# KiCad board JumperlessArduino.kicad_pcb
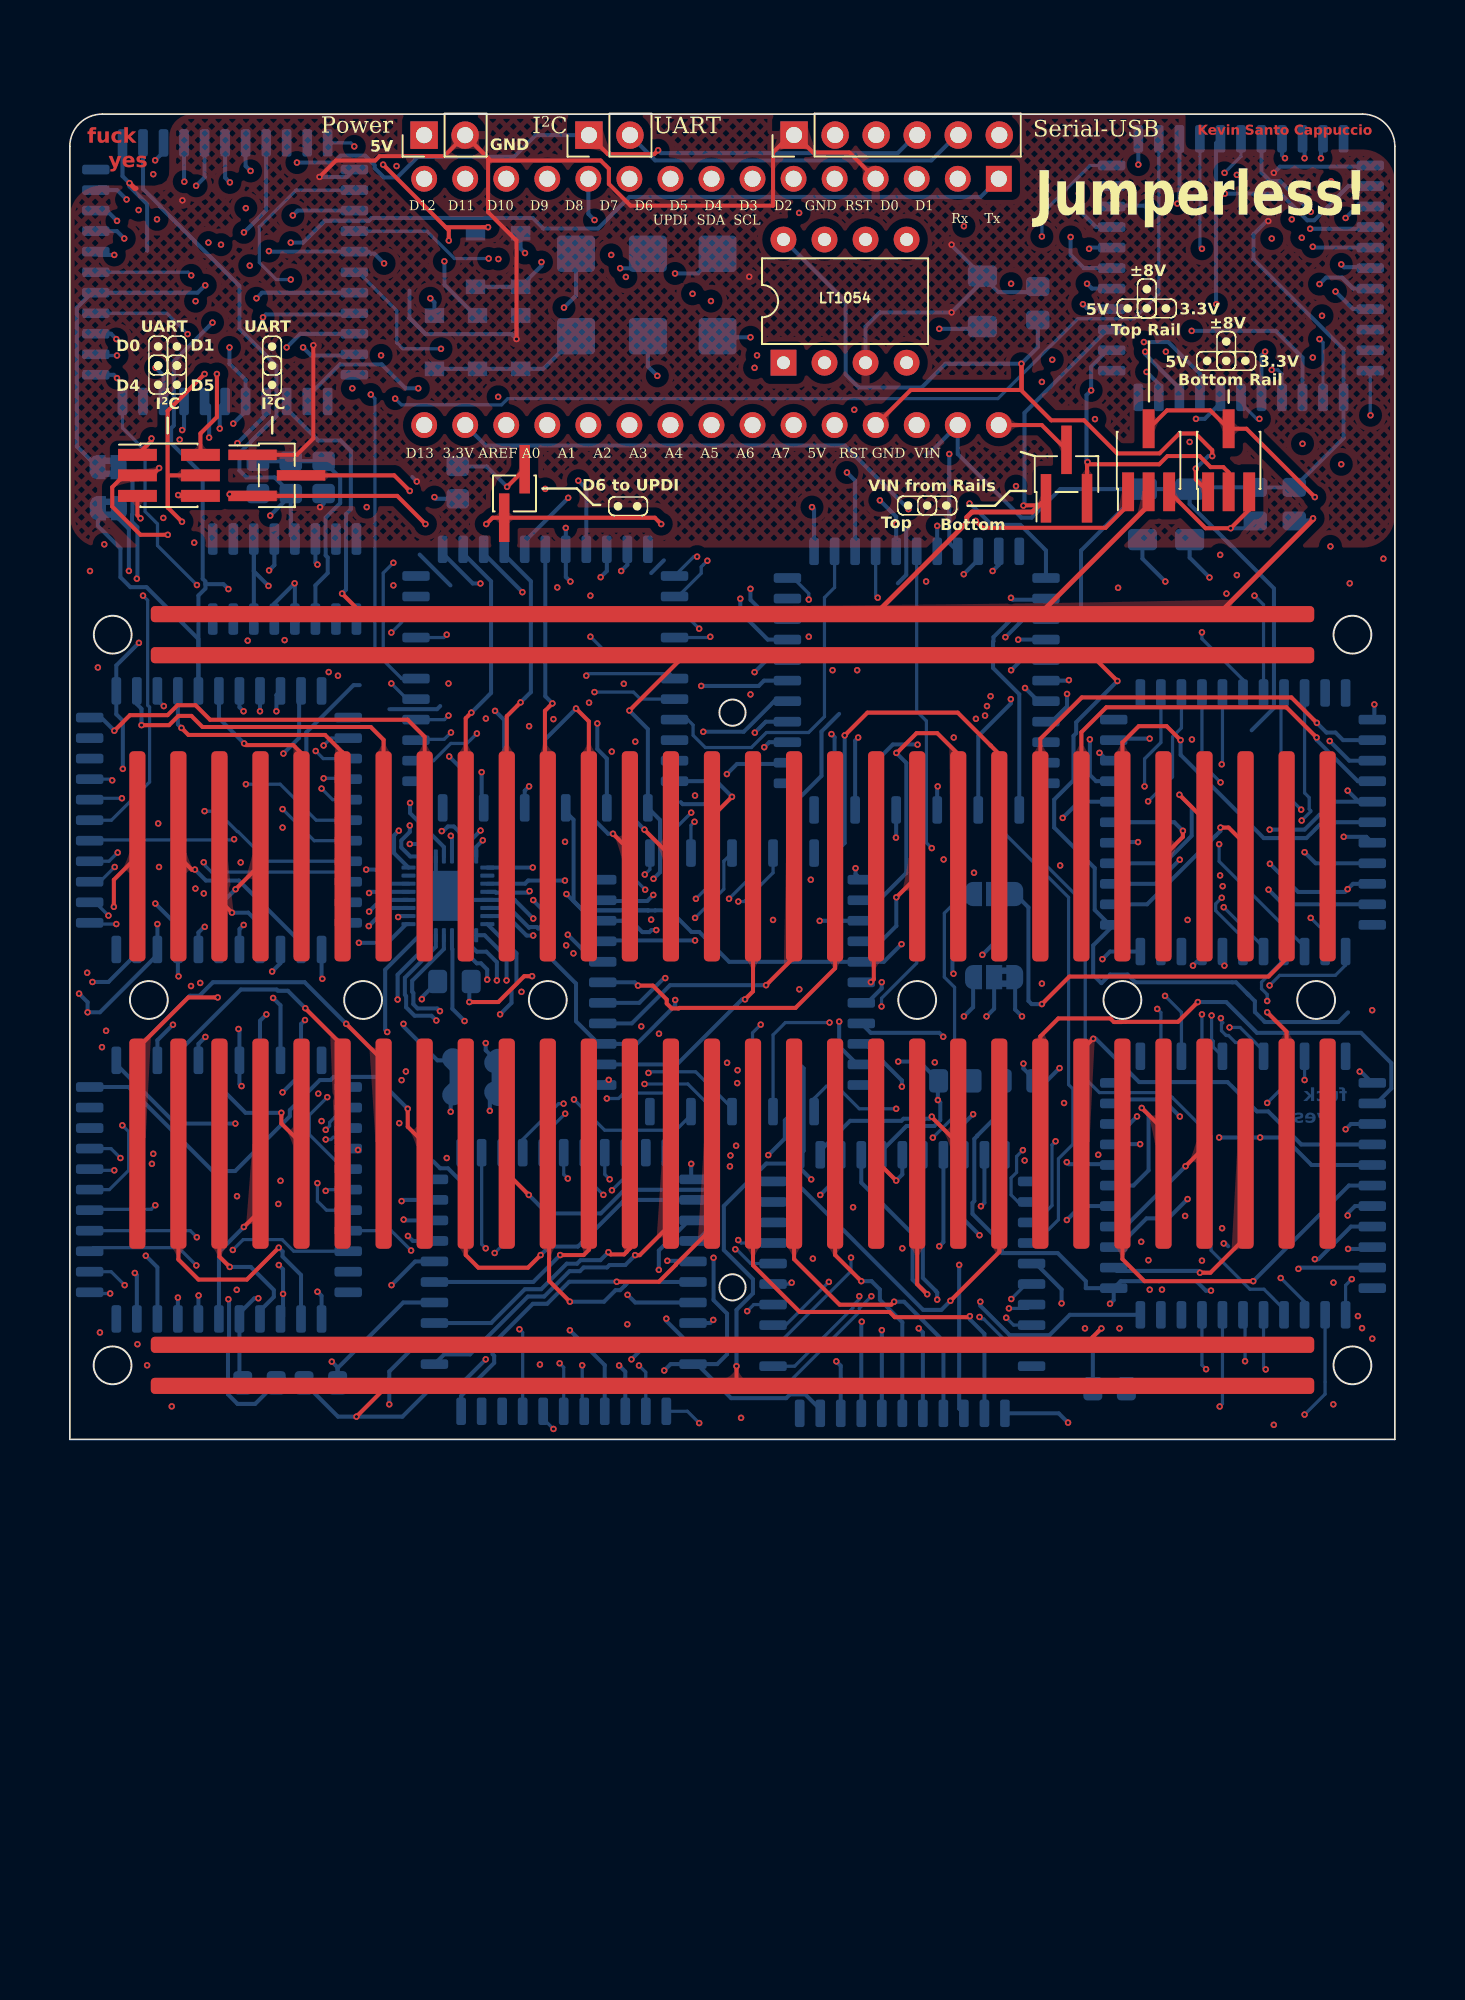
[diagram p0: board, top side]
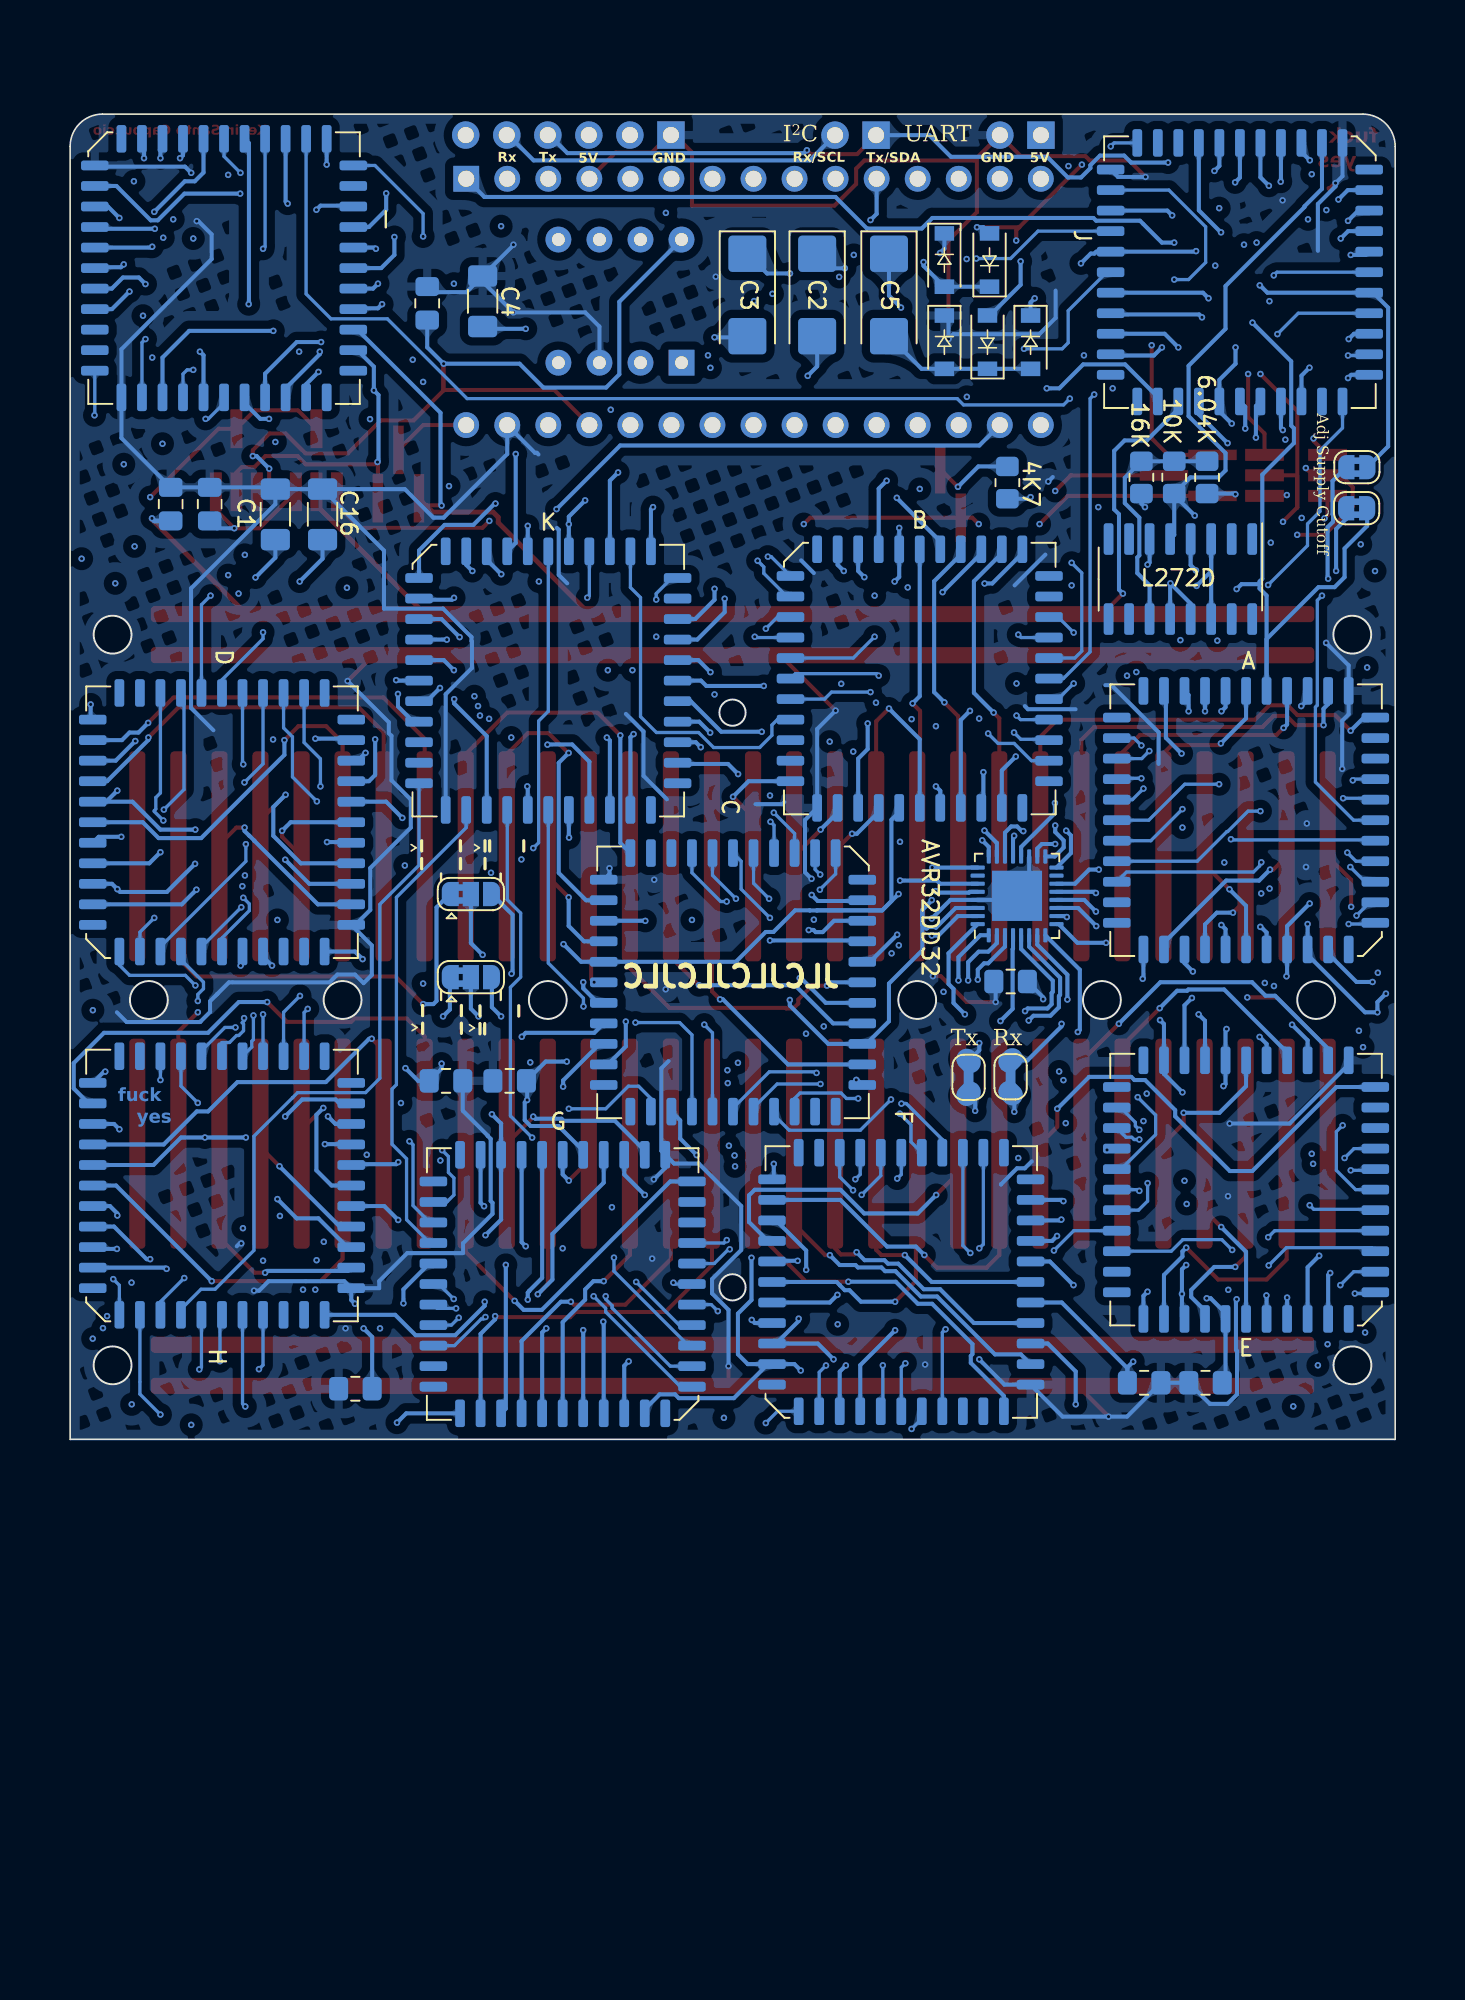
[diagram p1: board, bottom side, seen from below]

Outline 82 x 82 mm; copper layers: Top, In1.Cu, In2.Cu, Bottom. Coordinates in mm from the lower left corner of the outline.
Outline path: 0,80 arc(0.59,81.41) 2,82 80,82 arc(81.41,81.41) 82,80 82,0 0,0 0,80
Stack: Top 0.035mm / dielectric 0.1mm FR4 er 4.5 / In1.Cu 0.035mm / dielectric 1.24mm FR4 er 4.5 / In2.Cu 0.035mm / dielectric 0.1mm FR4 er 4.5 / Bottom 0.035mm

## Placement (name value [footprint] x y rotation side)
A  MT8816AP  [PLCC-44_16.6x16.6mm_P1.27mm]  9.23 38.31 0 bottom
A1  Arduino_Nano_v3.x  [Arduino_Nano]  57.49 78 270 top
B  MT8816AP  [PLCC-44_16.6x16.6mm_P1.27mm]  29.42 47.07 180 bottom
C  MT8816AP  [PLCC-44_16.6x16.6mm_P1.27mm]  40.98 28.28 270 bottom
C1  100uF  [C_1206_3216Metric_Pad1.33x1.80mm_HandSolder]  69.3 57.23 90 bottom
C2  10uF  [CP_EIA-6032-20_AVX-F_Pad2.25x2.35mm_HandSolder]  35.77 70.81 270 bottom
C3  10uF  [CP_EIA-6032-20_AVX-F_Pad2.25x2.35mm_HandSolder]  40.09 70.81 270 bottom
C4  100uF  [C_1206_3216Metric_Pad1.33x1.80mm_HandSolder]  56.47 70.42 270 bottom
C5  10uF  [CP_EIA-6032-20_AVX-F_Pad2.25x2.35mm_HandSolder]  31.33 70.81 270 bottom
C6  10uF  [C_0805_2012Metric_Pad1.18x1.45mm_HandSolder]  58.74 22.18 180 bottom
C7  10uF  [C_0805_2012Metric_Pad1.18x1.45mm_HandSolder]  11.74 3.5 0 bottom
C8  10uF  [C_0805_2012Metric_Pad1.18x1.45mm_HandSolder]  75.78 57.87 270 bottom
C9  10uF  [C_0805_2012Metric_Pad1.18x1.45mm_HandSolder]  64.35 3.13 180 bottom
C13  10uF  [C_0805_2012Metric_Pad1.18x1.45mm_HandSolder]  73.36 57.87 90 bottom
C14  10uF  [C_0805_2012Metric_Pad1.18x1.45mm_HandSolder]  59.9 70.29 90 bottom
C15  10uF  [C_0805_2012Metric_Pad1.18x1.45mm_HandSolder]  23.8 28.33 0 bottom
C16  100uF  [C_1206_3216Metric_Pad1.33x1.80mm_HandSolder]  66.38 57.23 270 bottom
C17  10uF  [C_0805_2012Metric_Pad1.18x1.45mm_HandSolder]  54.8 22.18 180 bottom
C18  10uF  [C_0805_2012Metric_Pad1.18x1.45mm_HandSolder]  15.54 3.5 0 bottom
D  MT8816AP  [PLCC-44_16.6x16.6mm_P1.27mm]  72.6 38.19 90 bottom
D1  1N4001  [D_SOD-123_1]  27.9 72.97 270 bottom
D2  1N4001  [D_SOD-123_1]  25.1 72.97 90 bottom
D3  1N4001  [D_SOD-123_1]  22.56 67.89 270 bottom
D4  1N4001  [D_SOD-123_1]  25.23 67.89 90 bottom
D5  1N4001  [D_SOD-123_1]  27.9 67.89 270 bottom
E  MT8816AP  [PLCC-44_16.6x16.6mm_P1.27mm]  9.23 15.45 0 bottom
F  MT8816AP  [PLCC-44_16.6x16.6mm_P1.27mm]  30.56 9.74 90 bottom
G  MT8816AP  [PLCC-44_16.6x16.6mm_P1.27mm]  51.52 9.61 0 bottom
H  MT8816AP  [PLCC-44_16.6x16.6mm_P1.27mm]  72.6 15.71 90 bottom
I  MT8816AP  [PLCC-44_16.6x16.6mm_P1.27mm]  72.47 72.47 180 bottom
J  MT8816AP  [PLCC-44_16.6x16.6mm_P1.27mm]  9.61 72.22 270 bottom
J1  Tx_Rx  [PinHeader_1x02_P2.54mm_Vertical]  32.12 80.7 90 top
J2  Conn_01x02  [PinHeader_1x02_P2.54mm_Vertical]  21.92 80.7 90 top
J5  Breadboard  [BreadBoard]  41.01 27.19 0 top
J6  Conn_01x06_Pin  [PinHeader_2x03_P1.27mm_Vertical_SMD]  6.14 59.65 0 top
J7  Conn_01x06_Pin  [PinHeader_1x06_P2.54mm_Vertical]  44.82 80.7 90 top
JP1  VIN_FROM_RAILS  [PinHeader_1x03_P1.27mm_Vertical_SMD_Pin1Left]  61.68 59.73 90 top
JP2  DAC_PWR+  [SolderJumper-2_P1.3mm_Bridged2Bar_RoundedPad1.0x1.5mm]  2.37 60.16 0 bottom
JP3  DAC_PWR-  [SolderJumper-2_P1.3mm_Bridged2Bar_RoundedPad1.0x1.5mm]  2.39 57.62 180 bottom
JP4  I2C_UART  [PinHeader_1x03_P1.27mm_Vertical_SMD_Pin1Left]  12.81 59.65 0 top
JP5  TOP_RAIL_VOLTAGE  [PinHeader_2x03_P1.27mm_Vertical_SMD_1]  66.76 60.58 90 top
JP6  BOTTOM_RAIL_VOLTAGE  [PinHeader_2x03_P1.27mm_Vertical_SMD_1]  71.71 60.58 90 top
JP7  SolderJumper_3_Bridged12  [SolderJumper-3_P1.3mm_Bridged2Bar12_RoundedPad1.0x1.5mm]  57.2 33.74 180 bottom
JP8  Jumper_2_Bridged  [SolderJumper-2_P1.3mm_Bridged_RoundedPad1.0x1.5mm_1#2]  26.4 22.4 270 bottom
JP9  UPDI_NANO  [PinHeader_1x02_P1.27mm_Vertical_SMD_Pin1Left]  27.52 58.53 270 top
JP10  Jumper_2_Bridged  [SolderJumper-2_P1.3mm_Bridged_RoundedPad1.0x1.5mm_1]  23.8 22.43 90 bottom
JP11  SolderJumper_3_Bridged12  [SolderJumper-3_P1.3mm_Bridged2Bar12_RoundedPad1.0x1.5mm]  57.2 28.6 180 bottom
K  MT8816AP  [PLCC-44_16.6x16.6mm_P1.27mm]  52.41 46.95 180 bottom
R1  4K7  [R_0805_2012Metric_Pad1.20x1.40mm_HandSolder]  24 59.2 90 bottom
R2  16K  [R_0805_2012Metric_Pad1.20x1.40mm_HandSolder]  15.71 59.52 90 bottom
R3  10K  [R_0805_2012Metric_Pad1.20x1.40mm_HandSolder]  13.67 59.52 270 bottom
R4  6.04K  [R_0805_2012Metric_Pad1.20x1.40mm_HandSolder]  11.64 59.52 90 bottom
REF**  -  [DisconJumperLabel_2]  59.09 34.86 0 top
REF**#2  -  [DisconJumperLabel]  59.03 24.67 0 top
REF**#3  -  [DisconJumperLabel_1]  55.48 24.65 0 top
REF**#4  -  [DisconJumperLabel_1_1]  55.17 34.86 0 top
U1  L272D  [SOIC-16_3.9x9.9mm_P1.27mm]  13.29 53.23 270 bottom
U2  AVR32DB32x-xRXB  [QFN-32-1EP_5x5mm_P0.5mm_EP3.1x3.1mm]  23.4 33.63 90 bottom
U3  LT1054xSW  [DIP-8_W7.62mm]  44.16 66.62 90 top

## Library data of the parts
A1 = -: Description: Arduino Nano v3.x
D1-D5 = -: Description: 50V 1A General Purpose Rectifier Diode, DO-41
J1 J2 = -: Description: Generic connector, single row, 01x02, script generated (kicad-library-utils/schlib/autogen/connector/)
J6 = -: Description: Generic connector, single row, 01x06, script generated
J7 = -: Description: Generic connector, single row, 01x06, script generated; Field4: GND; Field5: Rx; Field6: Tx; Field7: 5V
JP1 JP4-JP6 = -: Description: Jumper, 3-pole, pins 1+2 closed/bridged
JP2 JP3 JP8 JP10 = -: Description: Jumper, 2-pole, closed/bridged
JP7 JP11 = -: Description: 3-pole Solder Jumper, pins 1+2 closed/bridged
JP9 = -: Description: Jumper, 2-pole, open
R1 = -: Description: Resistor, small US symbol
U1 = -: Description: Dual Power Operation Amplifier, SOIC-16
U2 = -: Description: 24MHz, 32kB Flash, 4kB SRAM, EEPROM with Op Amps and Multi-Voltage I/O, VQFN-32
U3 = -: Description: Switched-Capacitor Voltage Converter with Regulator, output current 125mA, operating range 3.5V to 15V, low loss 1.1V at 100mA, DIP-8/SO-8

## Footprints (pads in the part's own frame, mm; a bottom-side part is the same pattern mirrored in y, then rotated)
Arduino_Nano
  rect 1.6x1.6 hole 1: 1(0,0)
  oval 1.6x1.6 hole 1: 2(0,-2.54) 3(0,-5.08) 4(0,-7.62) 5(0,-10.16) 6(0,-12.7) 7(0,-15.24) 8(0,-17.78) 9(0,-20.32) 10(0,-22.86) 11(0,-25.4) 12(0,-27.94) 13(0,-30.48) 14(0,-33.02) 15(0,-35.56) 16(15.24,-35.56) 17(15.24,-33.02) 18(15.24,-30.48) 19(15.24,-27.94) 20(15.24,-25.4) 21(15.24,-22.86) 22(15.24,-20.32) 23(15.24,-17.78) 24(15.24,-15.24) 25(15.24,-12.7) 26(15.24,-10.16) 27(15.24,-7.62) 28(15.24,-5.08) 29(15.24,-2.54) 30(15.24,0)
BreadBoard
  rrect 72x1 smd: 0(0,21.336) 31(0,23.876) 32(0,-23.876) 63(0,-21.336)
  rrect 1x13 smd: 1(-36.83,8.89) 2(-34.29,8.89) 3(-31.75,8.89) 4(-29.21,8.89) 5(-26.67,8.89) 6(-24.13,8.89) 7(-21.59,8.89) 8(-19.05,8.89) 9(-16.51,8.89) 10(-13.97,8.89) 11(-11.43,8.89) 12(-8.89,8.89) 13(-6.35,8.89) 14(-3.81,8.89) 15(-1.27,8.89) 16(1.27,8.89) 17(3.81,8.89) 18(6.35,8.89) 19(8.89,8.89) 20(11.43,8.89) 21(13.97,8.89) 22(16.51,8.89) 23(19.05,8.89) 24(21.59,8.89) 25(24.13,8.89) 26(26.67,8.89) 27(29.21,8.89) 28(31.75,8.89) 29(34.29,8.89) 30(36.83,8.89) 33(-36.83,-8.89) 34(-34.29,-8.89) 35(-31.75,-8.89) 36(-29.21,-8.89) 37(-26.67,-8.89) 38(-24.13,-8.89) 39(-21.59,-8.89) 40(-19.05,-8.89) 41(-16.51,-8.89) 42(-13.97,-8.89) 43(-11.43,-8.89) 44(-8.89,-8.89) 45(-6.35,-8.89) 46(-3.81,-8.89) 47(-1.27,-8.89) 48(1.27,-8.89) 49(3.81,-8.89) 50(6.35,-8.89) 51(8.89,-8.89) 52(11.43,-8.89) 53(13.97,-8.89) 54(16.51,-8.89) 55(19.05,-8.89) 56(21.59,-8.89) 57(24.13,-8.89) 58(26.67,-8.89) 59(29.21,-8.89) 60(31.75,-8.89) 61(34.29,-8.89) 62(36.83,-8.89)
C_0805_2012Metric_Pad1.18x1.45mm_HandSolder
  rrect 1.175x1.45 smd: 1(-1.038,0) 2(1.038,0)
C_1206_3216Metric_Pad1.33x1.80mm_HandSolder
  rrect 1.325x1.8 smd: 1(-1.562,0) 2(1.562,0)
CP_EIA-6032-20_AVX-F_Pad2.25x2.35mm_HandSolder
  rrect 2.25x2.35 smd: 1(-2.55,0) 2(2.55,0)
D_SOD-123_1
  rect 0.9x1.2 smd: 1(-1.65,0) 2(1.65,0)
DIP-8_W7.62mm
  rect 1.6x1.6 hole 0.8: 1(0,0)
  oval 1.6x1.6 hole 0.8: 2(0,-2.54) 3(0,-5.08) 4(0,-7.62) 5(7.62,-7.62) 6(7.62,-5.08) 7(7.62,-2.54) 8(7.62,0)
PinHeader_1x02_P1.27mm_Vertical_SMD_Pin1Left
  rect 3x0.65 smd: 1(-1.5,0.635) 2(1.5,-0.635)
PinHeader_1x02_P2.54mm_Vertical
  rect 1.7x1.7 hole 1: 1(0,0)
  oval 1.7x1.7 hole 1: 2(0,-2.54)
PinHeader_1x03_P1.27mm_Vertical_SMD_Pin1Left
  rect 3x0.65 smd: 1(-1.5,1.27) 2(1.5,0) 3(-1.5,-1.27)
PinHeader_1x06_P2.54mm_Vertical
  rect 1.7x1.7 hole 1: 1(0,0)
  oval 1.7x1.7 hole 1: 2(0,-2.54) 3(0,-5.08) 4(0,-7.62) 5(0,-10.16) 6(0,-12.7)
PinHeader_2x03_P1.27mm_Vertical_SMD
  rect 2.4x0.74 smd: 1(-1.95,1.27) 2(1.95,1.27) 3(-1.95,0) 4(1.95,0) 5(-1.95,-1.27) 6(1.95,-1.27)
PinHeader_2x03_P1.27mm_Vertical_SMD_1
  rect 2.4x0.74 smd: 1(-1.95,1.27) 2(-1.95,0) 3(-1.95,-1.27) 4(1.95,0)
PLCC-44_16.6x16.6mm_P1.27mm
  rrect 0.6x1.7 smd: 1(0,8) 2(-1.27,8) 3(-2.54,8) 4(-3.81,8) 5(-5.08,8) 6(-6.35,8) 18(-6.35,-8) 19(-5.08,-8) 20(-3.81,-8) 21(-2.54,-8) 22(-1.27,-8) 23(0,-8) 24(1.27,-8) 25(2.54,-8) 26(3.81,-8) 27(5.08,-8) 28(6.35,-8) 40(6.35,8) 41(5.08,8) 42(3.81,8) 43(2.54,8) 44(1.27,8)
  rrect 1.7x0.6 smd: 7(-8,6.35) 8(-8,5.08) 9(-8,3.81) 10(-8,2.54) 11(-8,1.27) 12(-8,0) 13(-8,-1.27) 14(-8,-2.54) 15(-8,-3.81) 16(-8,-5.08) 17(-8,-6.35) 29(8,-6.35) 30(8,-5.08) 31(8,-3.81) 32(8,-2.54) 33(8,-1.27) 34(8,0) 35(8,1.27) 36(8,2.54) 37(8,3.81) 38(8,5.08) 39(8,6.35)
QFN-32-1EP_5x5mm_P0.5mm_EP3.1x3.1mm
  rrect 0.3x0.3 smd: (-1.03,-1.03) (-1.03,0) (-1.03,1.03) (0,-1.03) (0,0) (0,1.03) (1.03,-1.03) (1.03,0) (1.03,1.03)
  rrect 0.875x0.25 smd: 1(-2.438,1.75) 2(-2.438,1.25) 3(-2.438,0.75) 4(-2.438,0.25) 5(-2.438,-0.25) 6(-2.438,-0.75) 7(-2.438,-1.25) 8(-2.438,-1.75) 17(2.438,-1.75) 18(2.438,-1.25) 19(2.438,-0.75) 20(2.438,-0.25) 21(2.438,0.25) 22(2.438,0.75) 23(2.438,1.25) 24(2.438,1.75)
  rrect 0.25x0.875 smd: 9(-1.75,-2.438) 10(-1.25,-2.438) 11(-0.75,-2.438) 12(-0.25,-2.438) 13(0.25,-2.438) 14(0.75,-2.438) 15(1.25,-2.438) 16(1.75,-2.438) 25(1.75,2.438) 26(1.25,2.438) 27(0.75,2.438) 28(0.25,2.438) 29(-0.25,2.438) 30(-0.75,2.438) 31(-1.25,2.438) 32(-1.75,2.438)
  rect 3.1x3.1 smd: 33(0,0)
R_0805_2012Metric_Pad1.20x1.40mm_HandSolder
  rrect 1.2x1.4 smd: 1(-1,0) 2(1,0)
SOIC-16_3.9x9.9mm_P1.27mm
  rrect 1.95x0.6 smd: 1(-2.475,4.445) 2(-2.475,3.175) 3(-2.475,1.905) 4(-2.475,0.635) 5(-2.475,-0.635) 6(-2.475,-1.905) 7(-2.475,-3.175) 8(-2.475,-4.445) 9(2.475,-4.445) 10(2.475,-3.175) 11(2.475,-1.905) 12(2.475,-0.635) 13(2.475,0.635) 14(2.475,1.905) 15(2.475,3.175) 16(2.475,4.445)
SolderJumper-2_P1.3mm_Bridged2Bar_RoundedPad1.0x1.5mm
  custom 1x1.5 smd: 1(-0.65,0) 2(0.65,0)
SolderJumper-2_P1.3mm_Bridged_RoundedPad1.0x1.5mm_1
  rrect 1.6x1.3 smd rot 135: 1(-1.016,0)
  rrect 1.6x1.3 smd rot 45: 2(1.016,0)
SolderJumper-2_P1.3mm_Bridged_RoundedPad1.0x1.5mm_1#2
  rrect 1.6x1.3 smd rot 45: 1(1.016,0)
  rrect 1.6x1.3 smd rot 135: 2(-1.016,0)
SolderJumper-3_P1.3mm_Bridged2Bar12_RoundedPad1.0x1.5mm
  custom 1.05x1.5 smd: 1(-1.3,0) 3(1.3,0)
  rect 1x1.5 smd: 2(0,0)

## Nets
5V: A1.27 C14.1 C15.1 D2.2 J2.1 J7.3 JP4.3 JP5.1 JP6.1 R4.1 U2.10 U2.18 U2.28 U3.8
+3.3V: A1.17 C13.1 JP5.3 JP6.3
+9V: A.44 B.44 C.44 C1.1 C6.1 C7.1 D.44 D1.1 E.44 F.44 G.44 H.44 I.44 J.44 JP2.1 K.44
-9V: A.22 B.22 C.22 C16.2 C17.2 C18.2 D.22 D4.2 E.22 F.22 G.22 H.22 I.22 J.22 JP3.2 K.22
GND: A.18 A1.4 A1.29 B.18 C.18 C1.2 C4.1 C6.2 C7.2 C8.1 C9.1 C13.2 C14.2 C15.2 C16.1 C17.1 C18.1 D.18 D5.1 E.18 F.18 G.18 H.18 I.7 I.18 J.7 J.18 J2.2 J5.0 J5.32 J7.1 JP4.1 K.18 R2.1 U2.19 U2.29 U2.33 U3.3
VIN: A1.30 JP1.2
1: J5.1 JP7.3
2: A.41 J5.2
3: A.43 J5.3
4: A.1 J5.4
5: A.23 J5.5
6: A.21 J5.6
7: A.19 J5.7
8: A.17 J5.8
9: B.41 J5.9
10: B.43 J5.10
11: B.1 J5.11
12: B.23 J5.12
13: B.21 J5.13
14: B.19 J5.14
15: B.17 J5.15
16: C.41 J5.16
17: C.43 J5.17
18: C.1 J5.18
19: C.23 J5.19
20: C.21 J5.20
21: C.19 J5.21
22: C.17 J5.22
23: D.41 J5.23
24: D.43 J5.24
25: D.1 J5.25
26: D.23 J5.26
27: D.21 J5.27
28: D.19 J5.28
29: J5.29 JP7.1
29_jumper: D.17 JP7.2
32: J5.33 JP11.3
33: E.41 J5.34
34: E.43 J5.35
35: E.1 J5.36
36: E.23 J5.37
37: E.21 J5.38
38: E.19 J5.39
39: E.17 J5.40
40: F.41 J5.41
41: F.43 J5.42
42: F.1 J5.43
43: F.23 J5.44
44: F.21 J5.45
45: F.19 J5.46
46: F.17 J5.47
47: G.41 J5.48
48: G.43 J5.49
49: G.1 J5.50
50: G.23 J5.51
51: G.21 J5.52
52: G.19 J5.53
53: G.17 J5.54
54: H.41 J5.55
55: H.43 J5.56
56: H.1 J5.57
57: H.23 J5.58
58: H.21 J5.59
59: H.19 J5.60
60: J5.61 JP11.1
60_jumper: H.17 JP11.2
/AB0: A.35 B.37
/AB1: A.34 B.36
/AC0: A.33 C.37
/AC1: A.32 C.36
/AD0: A.9 D.37
/AD1: A.10 D.36
/AE0: A.11 E.37
/AF0: A.13 F.37
/AF1: A.14 F.36
/AG0: A.31 G.37
/AG1: A.30 G.36
/AH0: A.7 H.37
/AH1: A.8 H.36
/BC0: B.33 C.35
/BC1: B.32 C.34
/BD0: B.9 D.35
/BD1: B.10 D.34
/BE0: B.11 E.35
/BE1: B.12 E.34
/BF0: B.13 F.35
/BG0: B.31 G.35
/BG1: B.30 G.34
/BH0: B.7 H.35
/BH1: B.8 H.34
/CD0: C.9 D.33
/CD1: C.10 D.32
/CE0: C.11 E.33
/CE1: C.12 E.32
/CF0: C.13 F.33
/CF1: C.14 F.32
/CG0: C.31 G.33
/CH0: C.7 H.33
/CH1: C.8 H.32
/DE0: D.11 E.9
/DE1: D.12 E.10
/DF0: D.13 F.9
/DF1: D.14 F.10
/DG0: D.31 G.9
/DG1: D.30 G.10
/DH0: D.7 H.9
/EF0: E.13 F.11
/EF1: E.14 F.12
/EG0: E.31 G.11
/EG1: E.30 G.12
/EH0: E.7 H.11
/EH1: E.8 H.12
/FG0: F.31 G.13
/FG1: F.30 G.14
/FH0: F.7 H.13
/FH1: F.8 H.14
/GH0: G.7 H.31
/GH1: G.8 H.30
A0: A1.19 I.37 K.37
A1: A1.20 J.36 K.36
A2: A1.21 I.35 K.35
A3: A1.22 J.34 K.34
A4: A1.23 I.33 K.33
A5: A1.24 J.32 K.32
A6: A1.25 I.9 K.9
A7: A1.26 J.10 K.10
AI: A.37 I.39
AJ: A.36 J.39
AK: A.12 K.39
AREF: A1.18 J.14
AX0: A.5 B.5 C.5 D.5 E.5 F.5 G.5 H.5 I.5 J.5 K.5 U2.6
AX1: A.24 B.24 C.24 D.24 E.24 F.24 G.24 H.24 I.24 J.24 K.24 U2.7
AX2: A.25 B.25 C.25 D.25 E.25 F.25 G.25 H.25 I.25 J.25 K.25 U2.8
AX3: A.4 B.4 C.4 D.4 E.4 F.4 G.4 H.4 I.4 J.4 K.4 U2.9
AY0: A.26 B.26 C.26 D.26 E.26 F.26 G.26 H.26 I.26 J.26 K.26 U2.20
AY1: A.27 B.27 C.27 D.27 E.27 F.27 G.27 H.27 I.27 J.27 K.27 U2.21
AY2: A.2 B.2 C.2 D.2 E.2 F.2 G.2 H.2 I.2 J.2 K.2 U2.22
BI: B.35 I.41
BJ: B.34 J.41
BK: B.14 K.41
BOTTOM_RAIL: C9.2 I.30 J.30 J5.63 JP1.3 JP6.2
CI: C.33 I.43
CJ: C.32 J.43
CK: C.30 K.43
CS_A: A.40 U2.2
CS_B: B.40 U2.3
CS_C: C.40 U2.4
CS_D: D.40 U2.5
CS_E: E.40 U2.23
CS_F: F.40 U2.24
CS_G: G.40 U2.25
CS_H: H.40 U2.11
CS_I: I.40 U2.12
CS_J: J.40 U2.13
CS_K: K.40 U2.14
CTS_UNCONNECTED: J7.2
D0: A1.2 J.37 J6.1
D1: A1.1 I.36 J6.2
D2: A1.5 J.35 K.11
D3: A1.6 I.34 K.12
D4: A1.7 J.33 J6.5 K.13
D5: A1.8 I.32 J6.6 K.14
D6: A1.9 J.9 JP9.2 K.31
D7: A1.10 I.10 K.30
D8: A1.11 J.11 K.7
D9: A1.12 I.12 K.8
D10: A1.13 J.12
D11: A1.14 I.11
D12: A1.15 J.13
D13: A1.16 I.13
DAC_0-5V: I.8 U1.3 U1.14
DAC_+-9V: J.8 JP5.4 JP6.4 R3.2 U1.5
DAC_OUT: U1.12 U1.13 U2.16
DATA: A.42 B.42 C.42 D.42 E.42 F.42 G.42 H.42 I.42 J.42 K.42 U2.30
DI: D.9 I.1
DJ: D.10 J.1
DK: D.8 K.1
DTR_UNCONNECTED: J7.6
EI: E.11 I.23
EJ: E.12 J.23
EK: E.36 K.23
FI: F.13 I.21
FJ: F.14 J.21
FK: F.34 K.21
GI: G.31 I.19
GJ: G.30 J.19
GK: G.32 K.19
HI: H.7 I.17
HJ: H.8 J.17
HK: H.10 K.17
I2C_SCL/UART_Rx: J1.2 J6.4 J7.5 JP10.2
I2C_SDA/UART_Tx: J1.1 J6.3 J7.4 JP8.2
I2C_UART_SELECTION: JP4.2 U2.17
NANO_~{RESET}: A1.3 I.14
RESET: A.3 B.3 C.3 D.3 E.3 F.3 G.3 H.3 I.3 J.3 K.3
RESET_MT: U2.15
STROBE: A.20 B.20 C.20 D.20 E.20 F.20 G.20 H.20 I.20 J.20 K.20 U2.31
TOP_RAIL: C8.2 I.31 J.31 J5.31 JP1.1 JP5.2
Unconnected_A: A.39
Unconnected_B: B.39
Unconnected_C: C.39
Unconnected_D: D.39
Unconnected_E: E.39
Unconnected_F: F.39
Unconnected_G: G.39
Unconnected_H: H.39
USE_NANO_AS_UPDI_PROGRAMMER: R1.1 U2.27
Net-(D1-A): C2.1 D1.2 D2.1
Net-(D3-A): C5.2 D3.2 D4.1 D5.2
Net-(D3-K): C4.2 D3.1 U3.5
Net-(JP2-B): JP2.2 U1.4
Net-(JP3-A): JP3.1 U1.6
Net-(JP8-A): JP8.1 U2.32
Net-(JP9-A): JP9.1 R1.2
Net-(JP10-A): JP10.1 U2.1
Net-(U1B--): R2.2 R3.1 R4.2 U1.11
Net-(U3-CAP+): C2.2 C3.1 U3.2
Net-(U3-CAP-): C3.2 C5.1 U3.4

Pads without a net: A 6 15 16 28 29 38; A1 28; B 6 15 16 28 29 38; C 6 15 16 28 29 38; D 6 15 16 28 29 38; E 6 15 16 28 29 38; F 6 15 16 28 29 38; G 6 15 16 28 29 38; H 6 15 16 28 29 38; I 6 15 16 28 29 38; J 6 15 16 28 29 38; J5 30 62; K 6 15 16 28 29 38; U1 1 2 7 8 9 10 15 16; U2 26; U3 1 6 7

## Via types
v1: diameter 0.4, hole 0.2, Top to Bottom, 688 vias

## Routing (per net, layer and track width the routed paths; a pad name or vN(x,y) marks a point on that pad's centre or on a via; arc(x,y) is an arc through that point)
5V: length 198.4
  Top w0.25: v1(70.7,60.84) 70.7,61.2 69.66,62.24 68.67,62.24 67.43,61.01 64.82,61.01 62.77,63.05 60.74,63.05 58.89,64.91 v1(58.89,66.56) 58.91,66.53 58.91,64.93 52.04,64.93 A1.27 ; v1(9.89,58.48) 11.21,58.48 JP4.3 20.26,58.38 v1(22.01,56.63) ; 23.26,75 23.45,74.81 v1(23.45,74.18) ; 23.26,75 v1(19.39,78.88) ; 23.26,75 v1(25.88,75) ; v1(56.06,56.83) 56.49,56.4 64.09,56.4 65.49,57.8 JP5.1 ; JP6.1 69.68,59.39 v1(69.68,60.06)
  In1.Cu w0.25: v1(23.45,74.18) 20.66,71.38 20.66,61.3 22.01,59.95 v1(22.01,56.63) 21.8,56.43 21.8,36.84 ; v1(21.79,27.23) 21.8,27.25 21.8,30.84 v1(20.32,32.32) 21.8,33.8 21.8,36.84 ; v1(56.06,56.83) 55.8,56.83 A1.27 ; 21.8,36.84 v1(21.04,36.84) ; 49.9,80.8 48.72,79.62 47.36,79.62 45.93,78.19 45.93,75.32 44.85,74.24 U3.8
  In2.Cu w0.25: v1(28.45,33.92) 27.43,32.9 20.9,32.9 v1(20.32,32.32) ; J2.1 20.96,80.7 19.39,79.13 v1(19.39,78.88) ; U3.8 43.53,74.87 26.01,74.87 v1(25.88,75)
  Bottom w0.25: v1(28.45,33.92) 28.36,33.83 26.37,33.83 26.32,33.88 U2.28 ; C14.1 59.9,67.57 v1(58.89,66.56) 54.19,66.56 52.71,65.08 48.83,65.08 48.01,65.9 48.01,70.39 U3.8 ; U2.18 22.15,36.55 21.86,36.84 v1(21.04,36.84) ; R4.1 9.93,58.52 v1(9.89,58.48) ; C15.1 21.79,27.35 v1(21.79,27.23) ; v1(70.7,60.84) 70.46,60.84 v1(69.68,60.06) ; v1(25.88,75) 25.49,75 D2.2 ; v1(20.32,32.32) 20.38,32.38 U2.10
+3.3V: length 60.4
  Top w0.25: JP5.3 70.29,56.38 v1(71.84,56.38) 72.98,57.52 72.98,58.63
  In2.Cu w0.25: 70.95,57.04 71.61,56.38 ; 70.95,57.04 71.61,56.38 ; 70.95,57.04 56.59,57.04 56.28,57.35 52.1,57.35 v1(51.9,57.56) ; 71.61,56.38 v1(71.84,56.38) 71.61,56.38
  Bottom w0.25: v1(71.84,56.38) 72.91,56.38 C13.1 ; v1(51.9,57.56) 47.96,61.5 25.73,61.5 A1.17
+9V: length 360.4
  In1.Cu w0.25: v1(74.25,37.73) 74.25,36.34 73.62,35.71 73.62,27.39 73.57,27.34 73.57,26.91 73.62,26.86 73.62,26.69 73.57,26.64 73.57,18.76 v1(73.66,18.68) ; v1(30.84,58.26) 30.84,63.06 30.06,63.84 30.06,71.24 28.17,73.12 v1(28.17,73.4) ; v1(11.67,8.73) 11.8,8.87 11.8,13.48 11.67,13.62 11.67,21.55 11.06,22.16 11.06,26.78 11,26.84 11,31.59 v1(10.76,31.83) ; v1(81.29,54.49) 81.29,46.78 79.46,44.95 79.46,40.52 v1(79.08,40.14) ; v1(53.53,23.33) 52.54,22.34 v1(52.54,6.87) 46.44,0.77 40.37,0.77 38.57,2.57 38.57,9.46 v1(36.98,11.05) 36.95,11.07 36.95,16.56 38.19,17.79 38.19,27.21 v1(36.85,28.54)
  In2.Cu w0.25: v1(8.38,71.41) 10.13,73.15 11.52,73.15 11.67,73 12.54,73 12.95,73.42 24.72,73.42 25.87,72.27 27.04,72.27 v1(28.17,73.4) ; v1(81.29,54.49) 81.26,54.52 79.84,54.52 ; 79.84,54.52 71.72,54.52 v1(70.53,53.33) 68.45,55.41 68.45,55.41 52.36,55.41 v1(51.14,56.63) ; 79.84,54.52 79.97,54.64 79.97,67.83 77.56,70.24 v1(70.95,70.24) ; v1(71.13,18.68) 71.13,19.04 67.19,22.97 v1(61.25,22.97) ; v1(59.01,23.25) 58.68,23.59 53.79,23.59 v1(53.53,23.33) ; v1(30.84,58.26) 30.89,58.21 50.02,58.21 v1(50.13,58.1) ; v1(36.85,28.54) 36.31,29.08 31.41,29.08 30.29,30.2 12.39,30.2 v1(10.76,31.83)
  Bottom w0.25: A.44 10.5,31.57 v1(10.76,31.83) ; C7.1 10.5,3.7 E.44 10.5,7.81 11.42,8.73 v1(11.67,8.73) ; v1(71.13,18.68) 75.14,18.68 76.84,16.98 H.44 ; v1(74.25,37.73) 76.41,37.73 78.14,39.46 D.44 79.77,39.46 v1(79.08,40.14) ; F.44 38.52,11.05 v1(36.98,11.05) ; v1(70.53,53.33) 69.3,54.56 C1.1 ; I.44 70.93,80.2 70.93,70.26 v1(70.95,70.24) ; C.44 35.24,27.01 36.77,28.54 v1(36.85,28.54) ; v1(61.25,22.97) 60.46,22.18 59.78,22.18 59.01,22.94 v1(59.01,23.25) ; v1(52.54,6.87) 52.79,6.61 G.44 ; B.44 28.15,55.56 30.84,58.25 v1(30.84,58.26) ; v1(50.13,58.1) 51.14,57.09 51.14,54.95 K.44 ; v1(28.17,73.4) 27.9,73.68 D1.1 ; JP2.1 0.43,61.44 0.43,70.03 1.36,70.95 J.44 7.91,70.95 8.36,71.41 v1(8.38,71.41)
-9V: length 330.4